# Altium PCB PCB1.PcbDoc
Units mil, origin at the board's own origin, x right, y up, seen from the top; angles counter-clockwise.
Board outline 4000 x 3995 mil, 2 copper layers (Top Layer, Bottom Layer); 9 components, 10 nets, 63 pads, 0 vias.
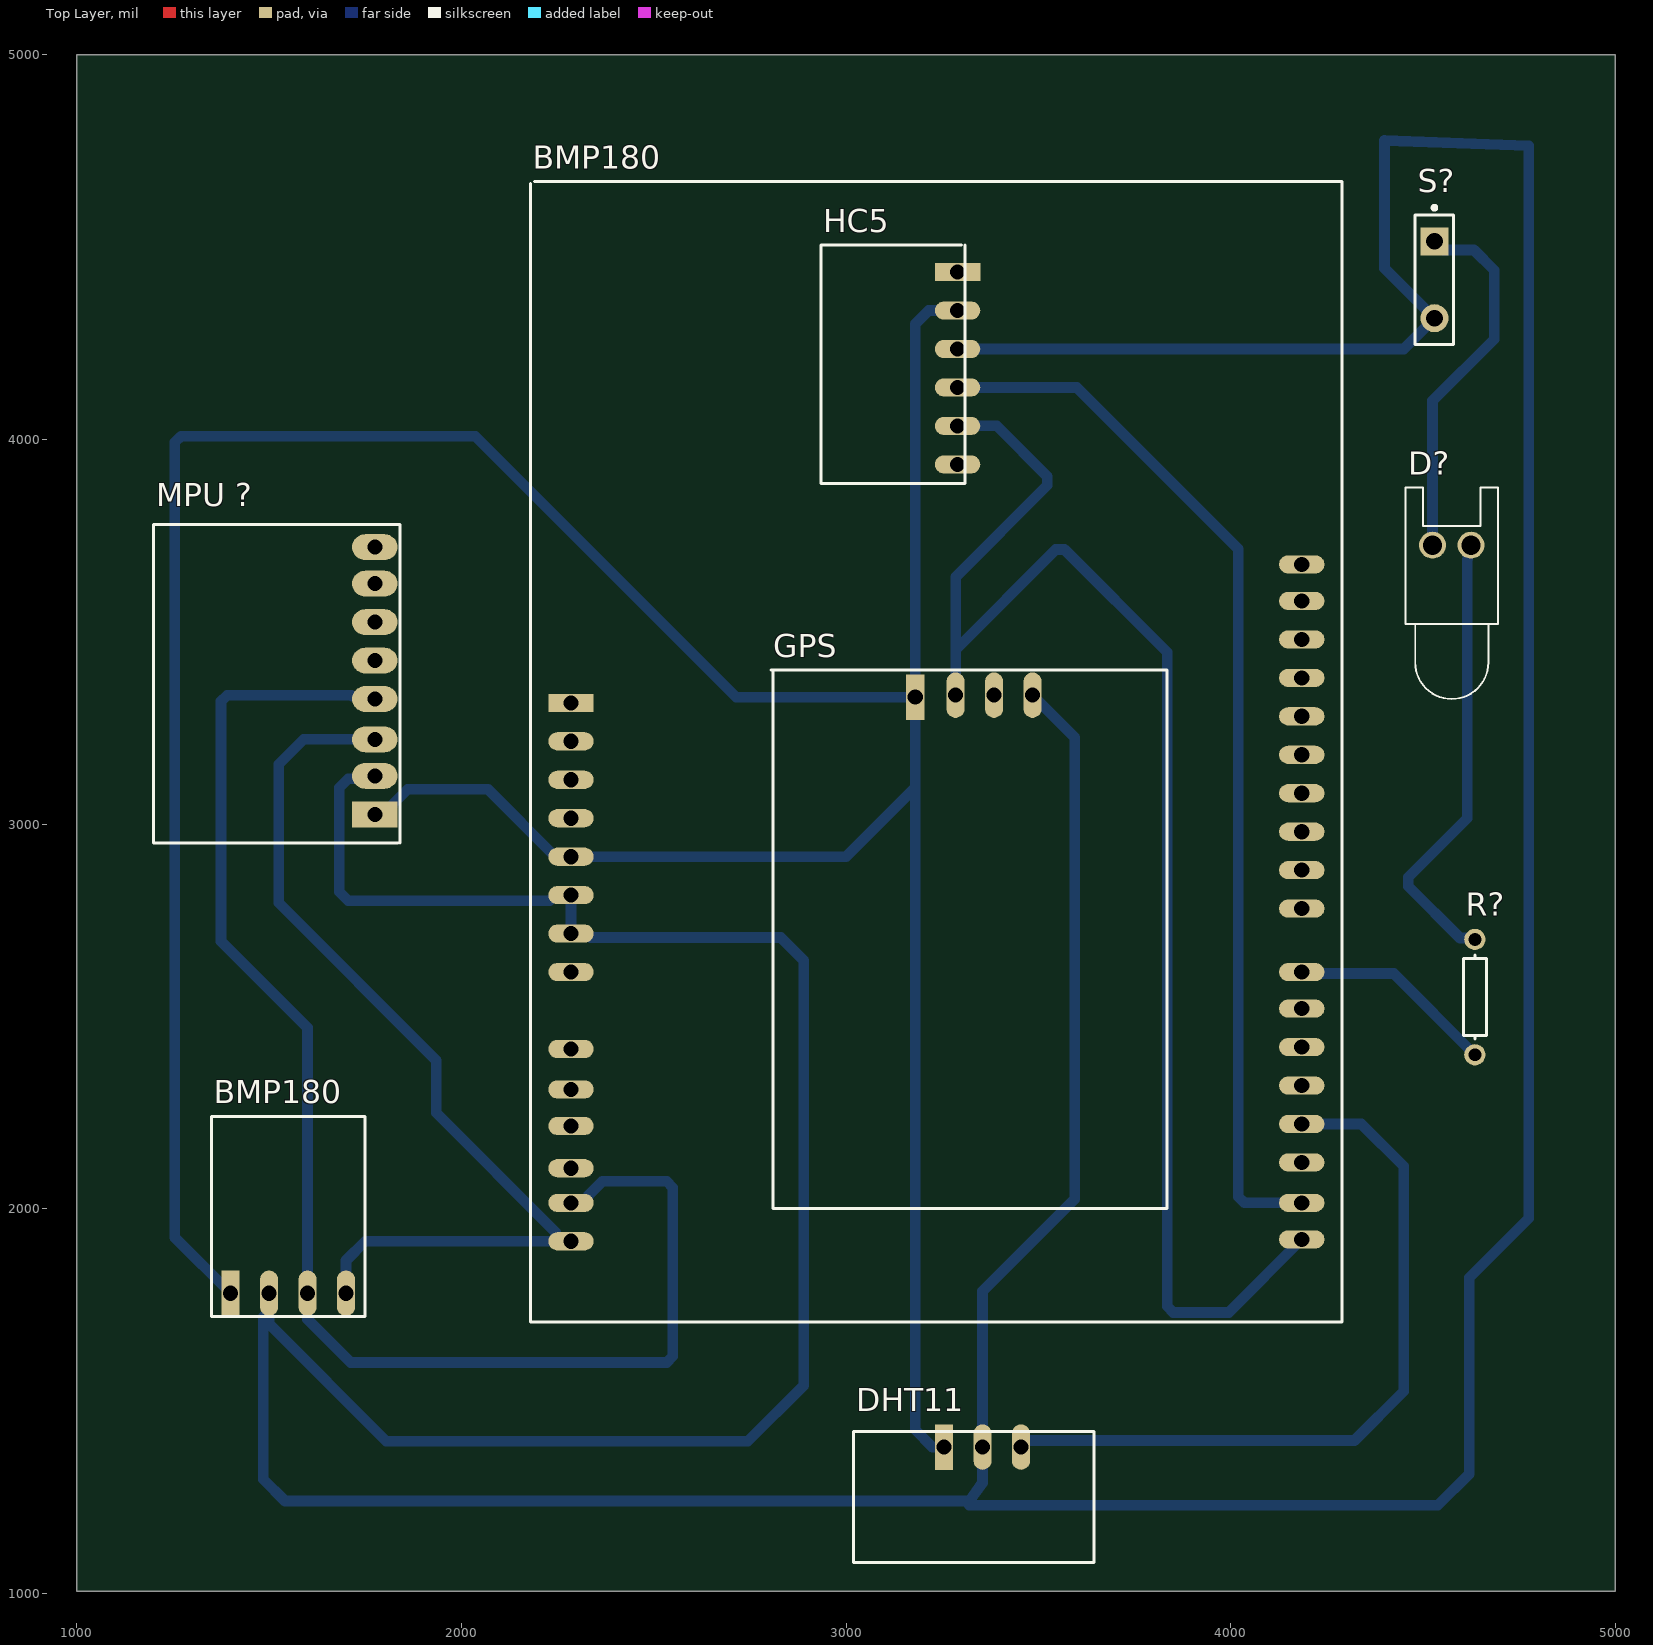
[diagram p0: Top Layer view]
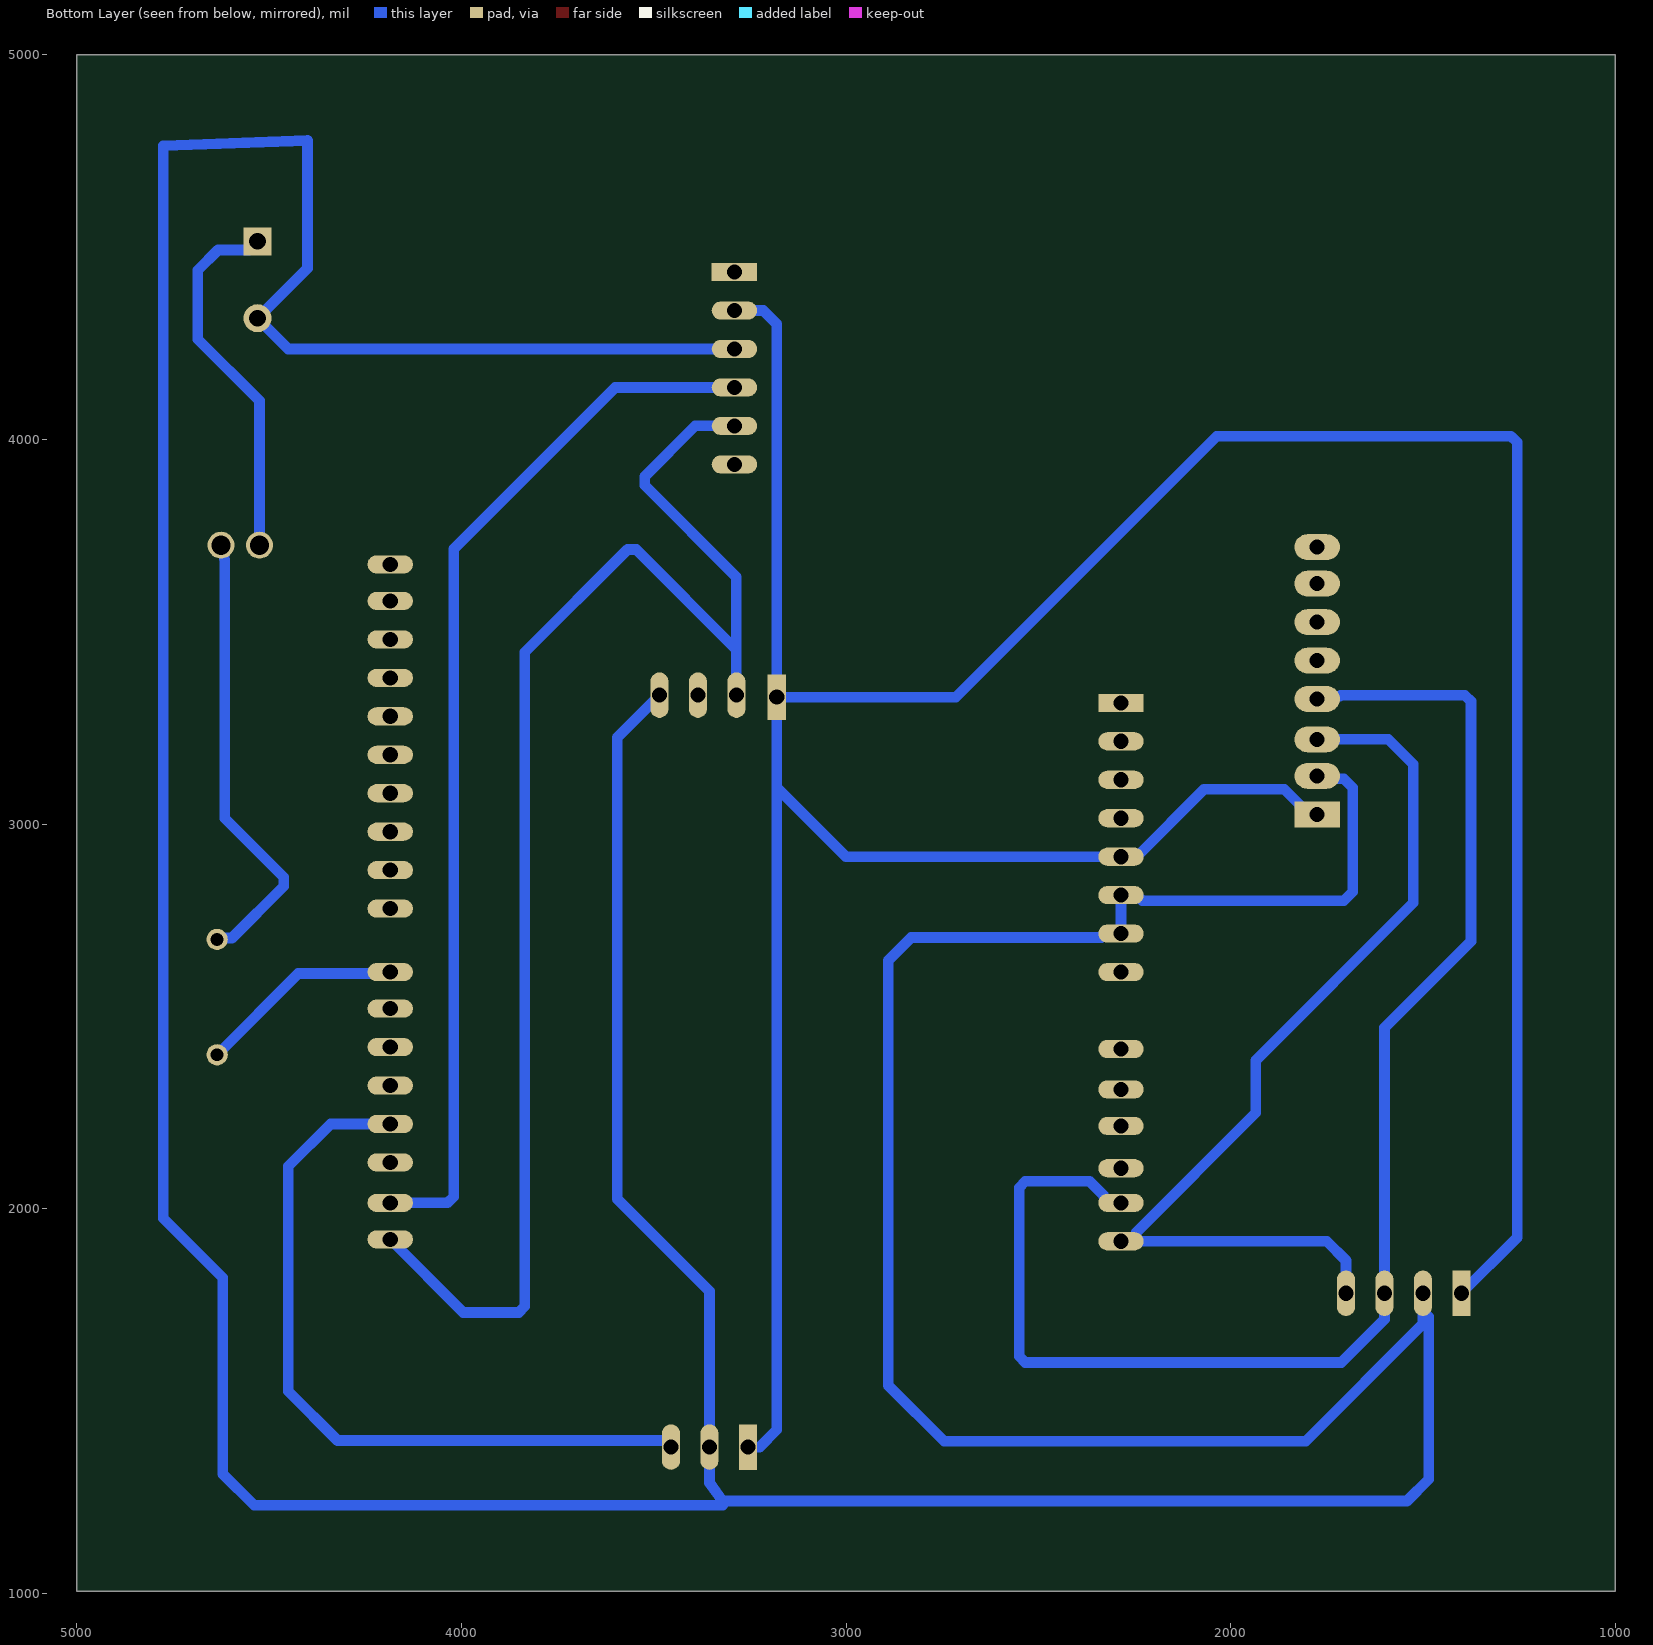
[diagram p1: Bottom Layer view, seen from below]
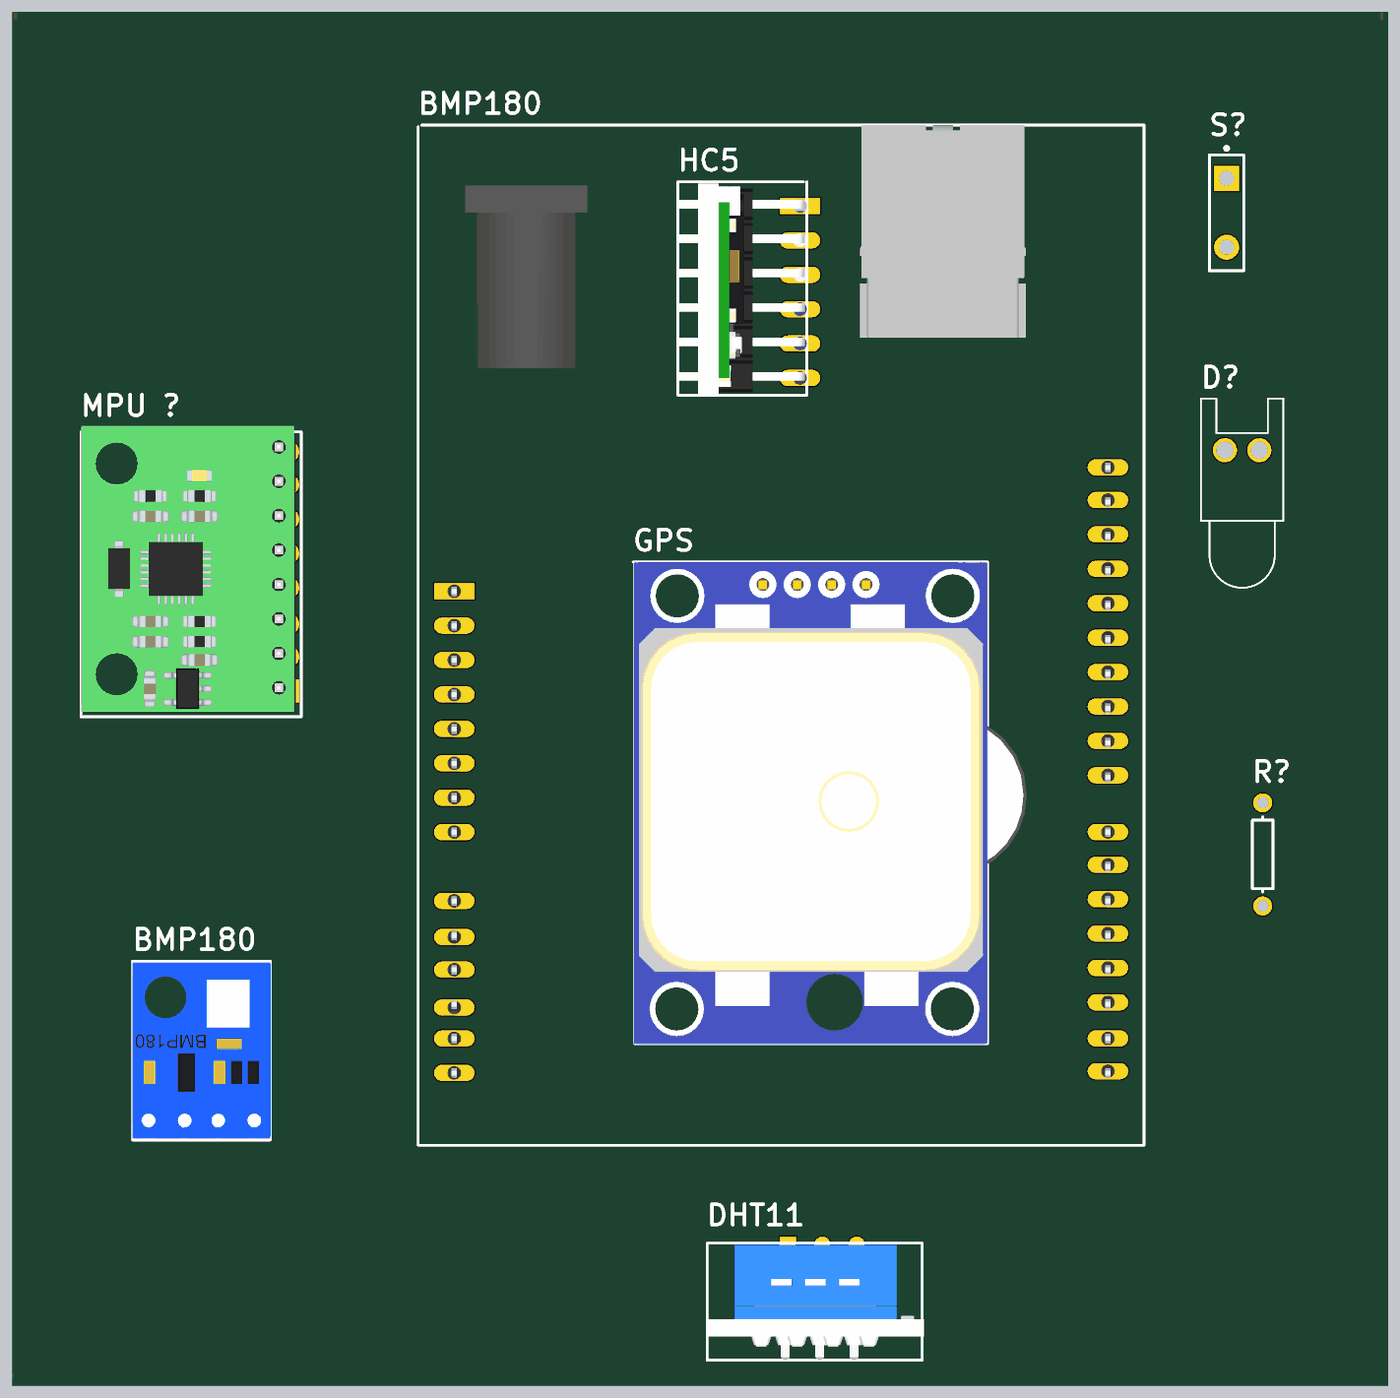
[diagram p2: 3D render of the assembled board from above, using the file's embedded part models]

## Layer stack, top to bottom
Top Solder: solder mask 0.4, Solder Resist, Dk 3.5
Top Layer: signal copper 1.4
Dielectric 1: dielectric 12.6, FR-4, Dk 4.8
Bottom Layer: signal copper 1.4
Bottom Solder: solder mask 0.4, Solder Resist, Dk 3.5

## Board outline
1000,1005 5000,1005 5000,5000 1000,5000

## Design rules (kind name [scope] priority, off if disabled: settings)
Clearance Clearance_2 [InNamedPolygon('NONET_L01_P001')] p1: gap=27.56 ignorepadtopadclearanceinfootprint=FALSE
Clearance Clearance_1 [InNamedPolygon('NONET_L01_P000')] p2: gap=27.56 ignorepadtopadclearanceinfootprint=FALSE
Clearance [All] p3: gap=19.68 ignorepadtopadclearanceinfootprint=FALSE
PolygonConnect [All] p1: connectstyle=Direct reliefconductorwidth=10 reliefentries=4 polygonreliefangle="90 Angle" airgapwidth=10
RoutingLayers [All] p1: top layer_v5=FALSE bottom layer_v5=TRUE
RoutingVias [All] p1: holewidth=28 width=50 viastyle="Through Hole" minholewidth=28 minwidth=50 maxholewidth=28 maxwidth=50
SolderMaskExpansion [All] p1: expansion=4 istentingtop=FALSE
Width [All] p1: maxlimit=27.56 minlimit=27.56 preferedwidth=27.56
29 further rules are at their usual default settings.

## Classes and differential pairs
component class Sheet1: BMP180 D? DHT11 GPS HC5 "MPU ?" R? S?

## Components (designator, comment, footprint, x,y, rotation, side; value= is the part's Value field where it differs from the comment)
BMP180 "Arduino uno ?" "ARD LIB" 2610,3275 r0 top
BMP180 "BMP180" "BMP280 - duplicate" 1400,1780 r90 top
D? "LED0" LED-0 4575,3725 r0 top
DHT11 "DHT11" DHT11 3255,1380 r90 top
GPS "GPS" "GPS - duplicate" 3195,3325 r90 top
HC5 "HC5" "HC5 - duplicate" 3290,4435 r0 top
"MPU ?" "MPU6050 ?" "MPU pcb - duplicate" 1775,3040 r180 top
R? "Res1" AXIAL-0.3 4635,2550 r90 top value=1K
S? "SW-PB" SPST-2 4530,4415 r270 top

## Footprints (in the part's own frame and the unit in brackets; to place one, negate y for a bottom-side part, rotate by r counter-clockwise, add the part's x,y. Pads: shape width x height; smd on the part's side, far side on the other; paste and mask are expansions set on the pad)
"ARD LIB" [mm]
  rect 3x1.2 hole 1: 1(-8.255,1.016)
  oval 3x1.2 hole 1: 2(-8.255,-1.524) 3(-8.255,-4.064) 4(-8.255,-6.604) 5(-8.255,-9.144) 6(-8.255,-11.684) 7(-8.255,-14.224) 8(-8.255,-16.764) 9(-8.255,-21.844) 10(-8.255,-24.511) 11(-8.255,-26.924) 12(-8.255,-29.718) 13(-8.255,-32.004) 14(-8.255,-34.544) 15(40.005,-32.004) 16(40.005,-34.417) 17(40.005,-29.337) 18(40.005,-26.797) 19(40.005,-24.257) 20(40.005,-21.717) 21(40.005,-19.177) 22(40.005,-16.764) 23(40.005,-12.573) 24(40.005,-10.033) 25(40.005,-7.493) 26(40.005,-4.953) 27(40.005,-2.413) 28(40.005,0.127) 29(40.005,2.667) 30(40.005,5.207) 31(40.005,7.747) 32(40.005,10.16)
  silkscreen extent -10.92,-39.88 42.67,35.43, body extent -10.92,-39.76 42.67,35.45, height 2.75
AXIAL-0.3 [mm] "Axial Device, Thru-Hole; 2 Leads; 0.3 in Pin Spacing"
  round 1.4 hole 0.85: 1(-3.81,0) 2(3.81,0)
  silkscreen extent -2.77,-0.76 2.77,0.76
"BMP280 - duplicate" [mm]
  rect 3x1.2 hole 1: 1(0,0)
  oval 3x1.2 hole 1: 2(0,-2.54) 3(0,-5.08) 4(0,-7.62)
  silkscreen extent -1.52,-8.89 11.68,1.27, body extent -1.42,-8.92 11.58,1.3, height 10.38
DHT11 [mm]
  rect 3x1.2 hole 1: 1(0,0)
  oval 3x1.2 hole 1: 2(0,-2.54) 3(0,-5.08)
  silkscreen extent -7.62,-9.91 1.02,5.97, body extent -7.61,-10.03 0.89,5.97, height 23.9
"GPS - duplicate" [mm]
  rect 3x1.2 hole 1: 1(0.127,0.381)
  oval 3x1.2 hole 1: 2(0.254,-2.286) 3(0.254,-4.826) 4(0.254,-7.366)
  silkscreen extent -33.66,-16.26 1.91,9.91, body extent -33.7,-16.26 1.91,9.82, height 13.56
"HC5 - duplicate" [mm]
  rect 3x1.2 hole 1: 1(0,0)
  oval 3x1.2 hole 1: 2(0,-2.54) 3(0,-5.08) 4(0,-7.62) 5(0,-10.16) 6(0,-12.7)
  silkscreen extent -9.02,-13.97 0.51,1.78, body extent -9.02,-14.1 0.34,1.65, height 39.75
LED-0 [mil] "LED; 2 Leads"
  round 70 hole 50: 1(50,0) 2(-50,0)
  silkscreen extent -120,-400 120,150
"MPU pcb - duplicate" [mm]
  rect 3x1.7 hole 1: 1(0,0.381)
  oval 3x1.7 hole 1: 2(0,-2.159) 3(0,-4.572) 4(0,-7.239) 5(0,-9.779) 6(0,-12.319) 7(0,-14.859) 8(0,-17.272)
  silkscreen extent -1.65,-18.75 14.61,2.29, body extent -1.27,-19.19 14.61,1.92, height 14.61
SPST-2 [mm] "Switch; 2 Leads"
  rect 1.85x1.85 hole 1.1: 1(-2.54,0)
  round 1.85 hole 1.1: 2(2.54,0)
  silkscreen extent -4.89,-1.27 4.28,1.27

## Part data
BMP180: library part BMP280
D?: "Typical INFRARED GaAs LED", LatestRevisionDate=08-Jul-2005, LatestRevisionNote="Mech Layer 1 removed.", PackageDescription="LED; 2 Leads", PackageReference=LED-0, Published=8-Jun-2000, Publisher="Altium Limited"
HC5: library part HC12
R?: "Resistor", LatestRevisionDate=17-Jul-2002, LatestRevisionNote="Re-released for DXP Platform.", PackageDescription="Axial Device, Thru-Hole; 2 Leads; 0.3 in Pin Spacing", PackageReference=AXIAL-0.3, Published=8-Jun-2000, Publisher="Altium Limited"
S?: "Switch", LatestRevisionDate=17-Jul-2002, LatestRevisionNote="Re-released for DXP Platform.", PackageDescription="Switch; 2 Leads", PackageReference=SPST-2, Published=24-Mar-1999, Publisher="Altium Limited"
BMP180: Parameter 1=ARDUINO
"MPU ?": Parameter 1=MPU6050

## Nets (pads, with @x,y where several pads share a name; then routed paths per layer and width w, separated by ;. In a path a pad name is that pad's centre, name@x,y a point inside that pad or via, vN(x,y) a via of type N, cw(c..) or ccw(c..) an arc to the next point about the centre after c; other vN are vias at no path point)
3: BMP180.18 DHT11.3 | length 1960.6
  Bottom Layer w27.56: DHT11.3 3455,1397 4322,1397 4450,1525 4450,2110 4340,2220 BMP180.18
5V: "MPU ?.1" BMP180.1@1400,1780 BMP180.5 DHT11.1 GPS.1 HC5.2 | length 9160.5
  Bottom Layer w27.56: BMP180.1@1400,1780 1255,1925 1255,3992.44 1271.14,4008.58 2036.42,4008.58 2715,3330 GPS.1 ; 1775,3025 1800.59,3025 1820.28,3044.68 1820.28,3050.03 1860.24,3090 2069.24,3090 2244.24,2915 3000,2915 3180,3095 ; DHT11.1 3225,1380 3180,1425 3180,3095 ; HC5.2 3215,4335 3180,4300 GPS.1 ; 3180,3095 GPS.1
7: BMP180.22 R?.1 | length 539.1
  Bottom Layer w27.56: BMP180.22 4188.77,2611.23 4423.77,2611.23 R?.1
GND: "MPU ?.2" BMP180.2@1500,1780 BMP180.6 BMP180.7 DHT11.2 GPS.4 HC5.3 S?.2 | length 16059.1
  Bottom Layer w27.56: BMP180.2@1500,1780 BMP180.2@1500,1733.5 ; 1585.21,1239.79 1541.35,1239.79 1485,1296.14 1485,1718.5 BMP180.2@1500,1733.5 ; 1585.24,1239.76 3320.36,1239.76 3355,1287 DHT11.2 3355,1785 3595,2025 3595,3225 GPS.4 ; 1775,3125 1767.6,3117.6 1706.14,3117.6 1682.48,3093.93 1682.48,2823.66 1706.14,2800 2229.24,2800 2244.24,2815 BMP180.6 BMP180.7 2325.76,2715 2335.76,2705 2830,2705 2890,2645 2890,1540 2745,1395 1805,1395 1500,1700 BMP180.2@1500,1733.5 ; HC5.3 4450,4235 S?.2 4400,4445 4400,4777.18 4775,4763.72 4775,1975 4620,1820 4620,1310 4538.5,1228.5 3320.36,1228.5
NetD?_1: D?.1 R?.2 | length 1185.2
  Bottom Layer w27.56: D?.1 4616.88,3716.88 4616.88,3689.52 4615,3687.64 4615,3015 4461.42,2861.42 4461.42,2838.58 4596.34,2703.66 4631.34,2703.66 R?.2
NetD?_2: D?.2 S?.1 | length 967.3
  Bottom Layer w27.56: D?.2 4525,4100 4685,4260 4685,4440 4632.64,4492.36 4552.64,4492.36 S?.1
RX: BMP180.15 HC5.4 | length 2759.5
  Bottom Layer w27.56: HC5.4 3600,4135 4020,3715 4020,2031.14 4036.14,2015 BMP180.15
SCL: "MPU ?.3" BMP180.4@1700,1780 BMP180.14 | length 2510
  Bottom Layer w27.56: BMP180.4@1700,1780 1700,1865 1750,1915 BMP180.14@2254.89,1915 ; 1775,3220 1590,3220 1525,3155 1525,2795 1935,2385 1935,2248.83 2245.8,1938.03 2245.8,1924.09 BMP180.14@2254.89,1915 ; BMP180.14 BMP180.14@2254.89,1915
SDA: "MPU ?.4" BMP180.3@1600,1780 BMP180.13 | length 3849.6
  Bottom Layer w27.56: 1775,3325 1767.47,3332.53 1716.05,3332.53 1713.58,3335 1391.14,3335 1375,3318.86 1375,2695 1600,2470 1600,1810.11 1600,1780 1600,1712 1712,1600 2533.86,1600 2550,1616.14 2550,2054.67 2533.86,2070.82 2366.98,2070.82 2330.28,2034.11 2330.28,2030.17 2315.11,2015 BMP180.13
TX: BMP180.16 GPS.2 HC5.5 | length 3859.6
  Bottom Layer w27.56: GPS.2 3285,3453.49 ; HC5.5 3392.21,4035 3523.58,3903.63 3523.58,3880.8 3285,3642.21 3285,3453.49 ; BMP180.16 3995,1730 3851.14,1730 3835,1746.14 3835,3446.51 3567.92,3713.58 3545.09,3713.58 3285,3453.49
pads on no net: "MPU ?.5" "MPU ?.6" "MPU ?.7" "MPU ?.8" BMP180.1@2285,3315 BMP180.2@2285,3215 BMP180.3@2285,3115 BMP180.4@2285,3015 BMP180.8 BMP180.9 BMP180.10 BMP180.11 BMP180.12 BMP180.17 BMP180.19 BMP180.20 BMP180.21 BMP180.23 BMP180.24 BMP180.25 BMP180.26 BMP180.27 BMP180.28 BMP180.29 BMP180.30 BMP180.31 BMP180.32 GPS.3 HC5.1 HC5.6

## Dimensions
1000,5000 to 990,1035 on Top Layer
4980,4980 to 1010,5020 on Top Layer